# Altium PCB M5_Display.PcbDoc (part 1 of 2)
Units mil, origin at the board's own origin, x right, y up, seen from the top; angles counter-clockwise.
Board outline 2755.91 x 1968.5 mil, 4 copper layers (Top Layer, PWRS, GND, Bottom Layer), stack 61.19 mil thick; 175 components, 119 nets, 540 pads, 377 vias.
Unrouted connection lines stored in the file: 3.
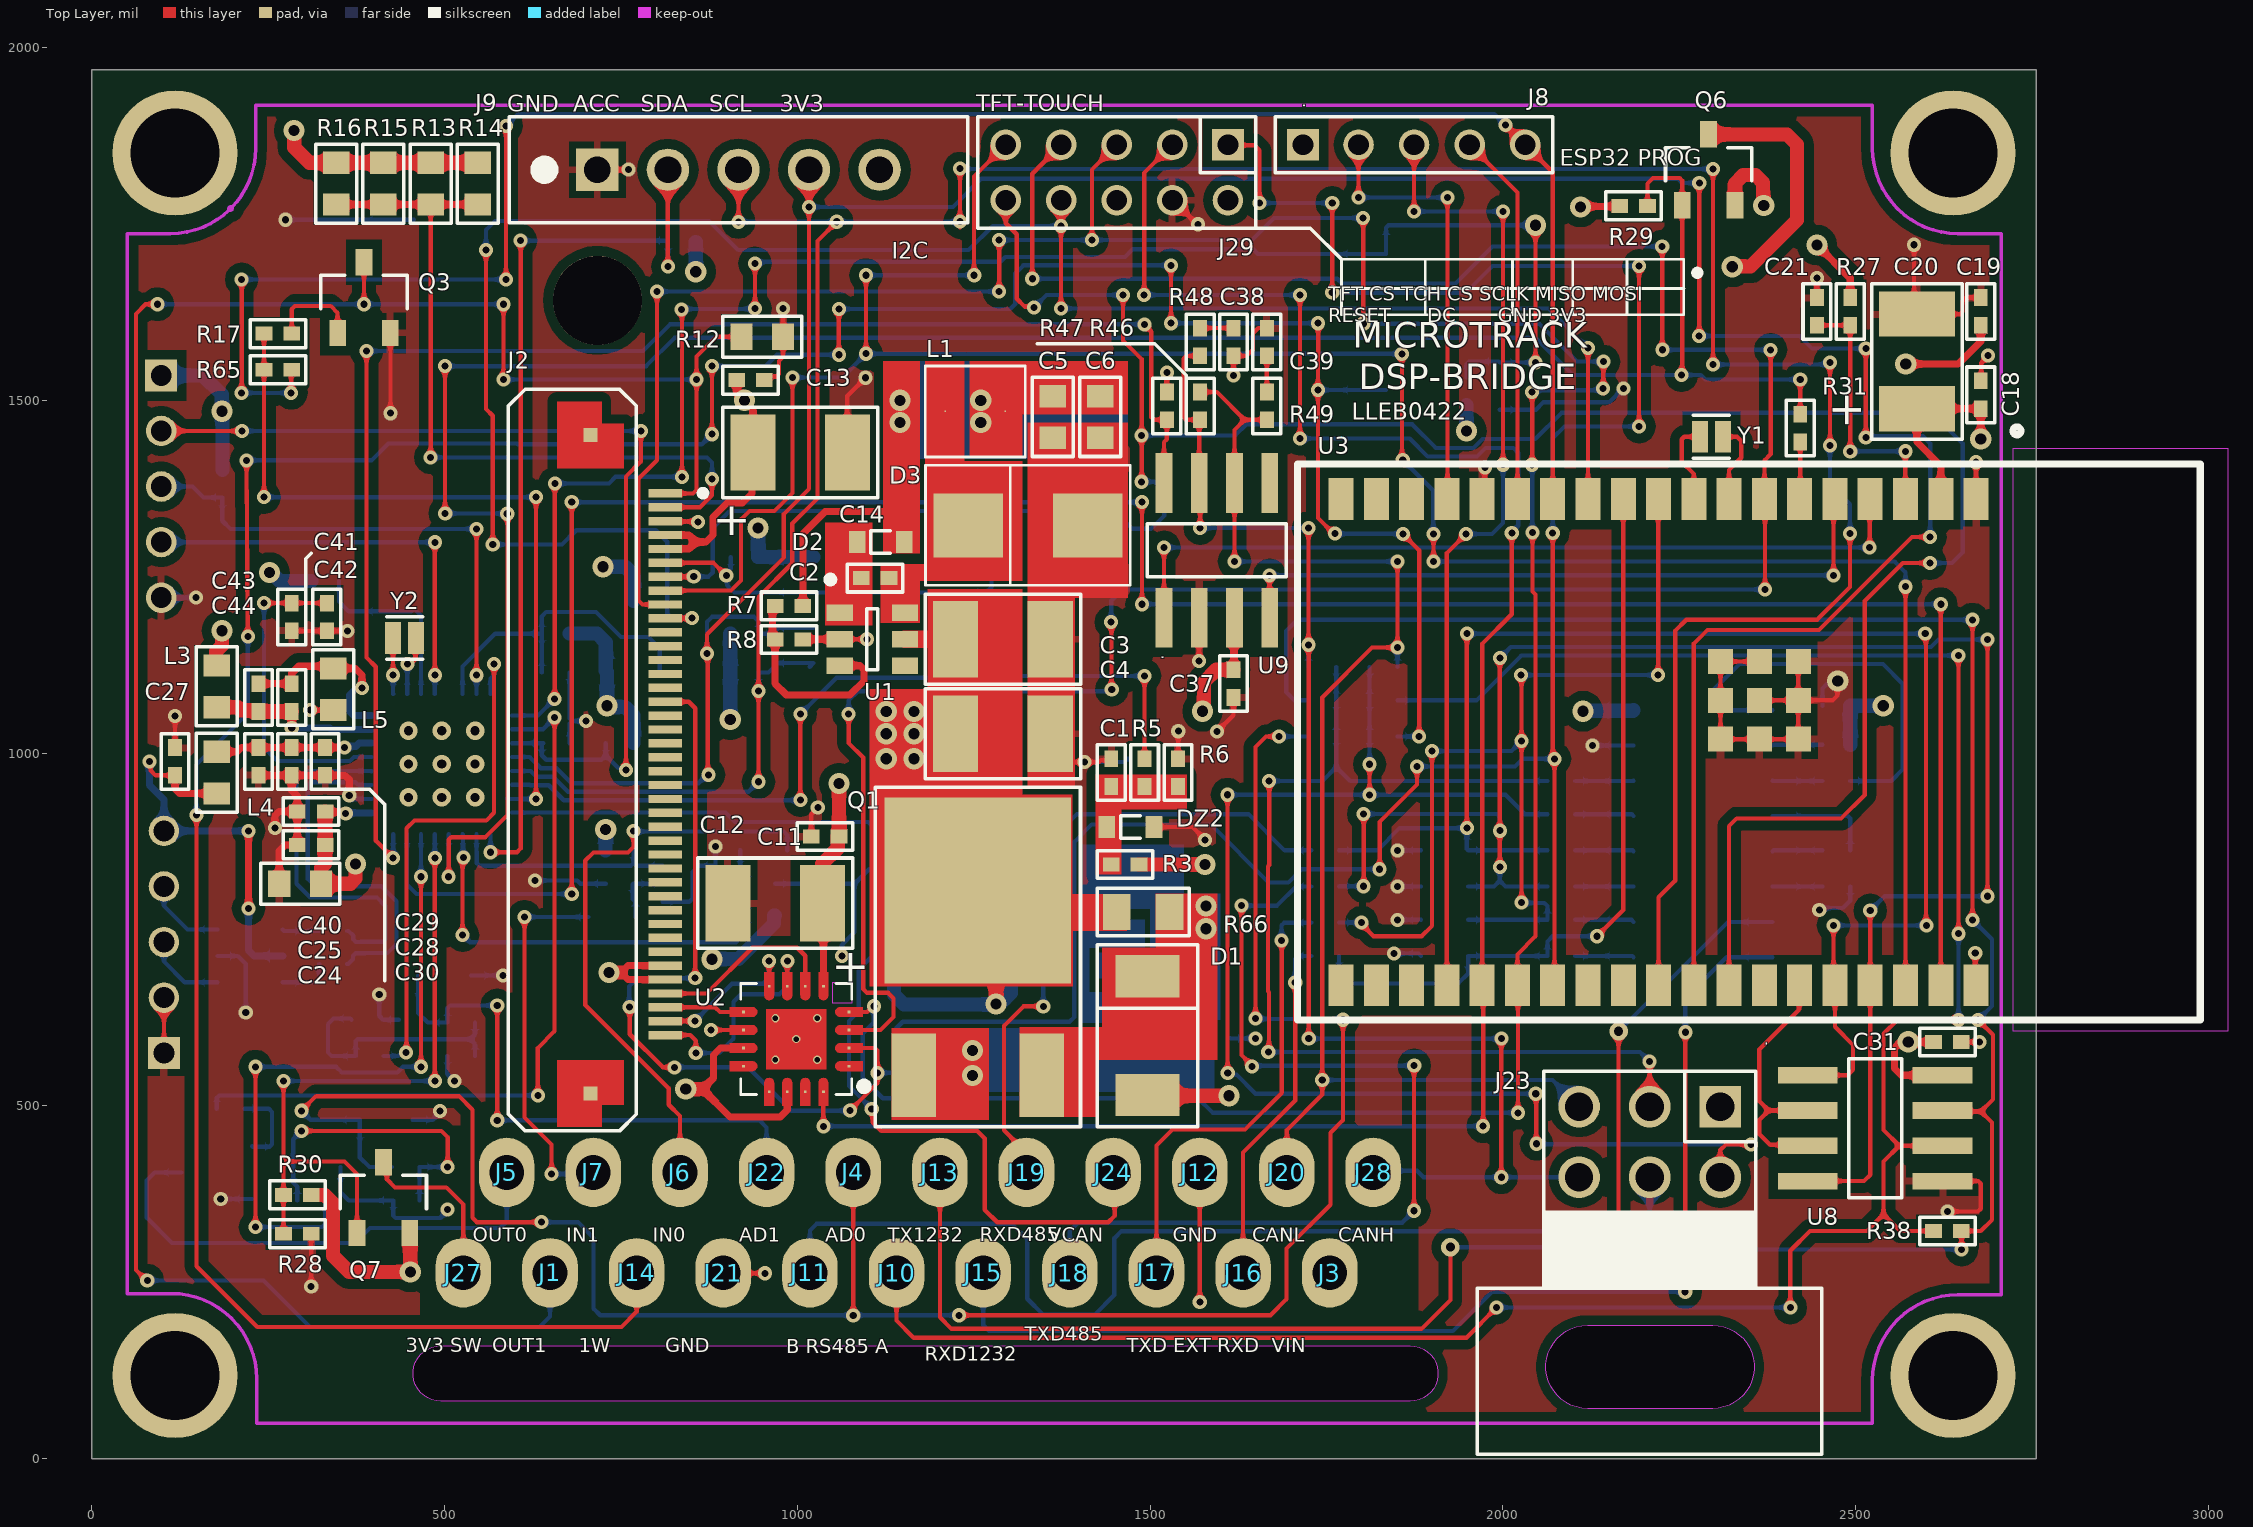
[diagram p0: Top Layer view]
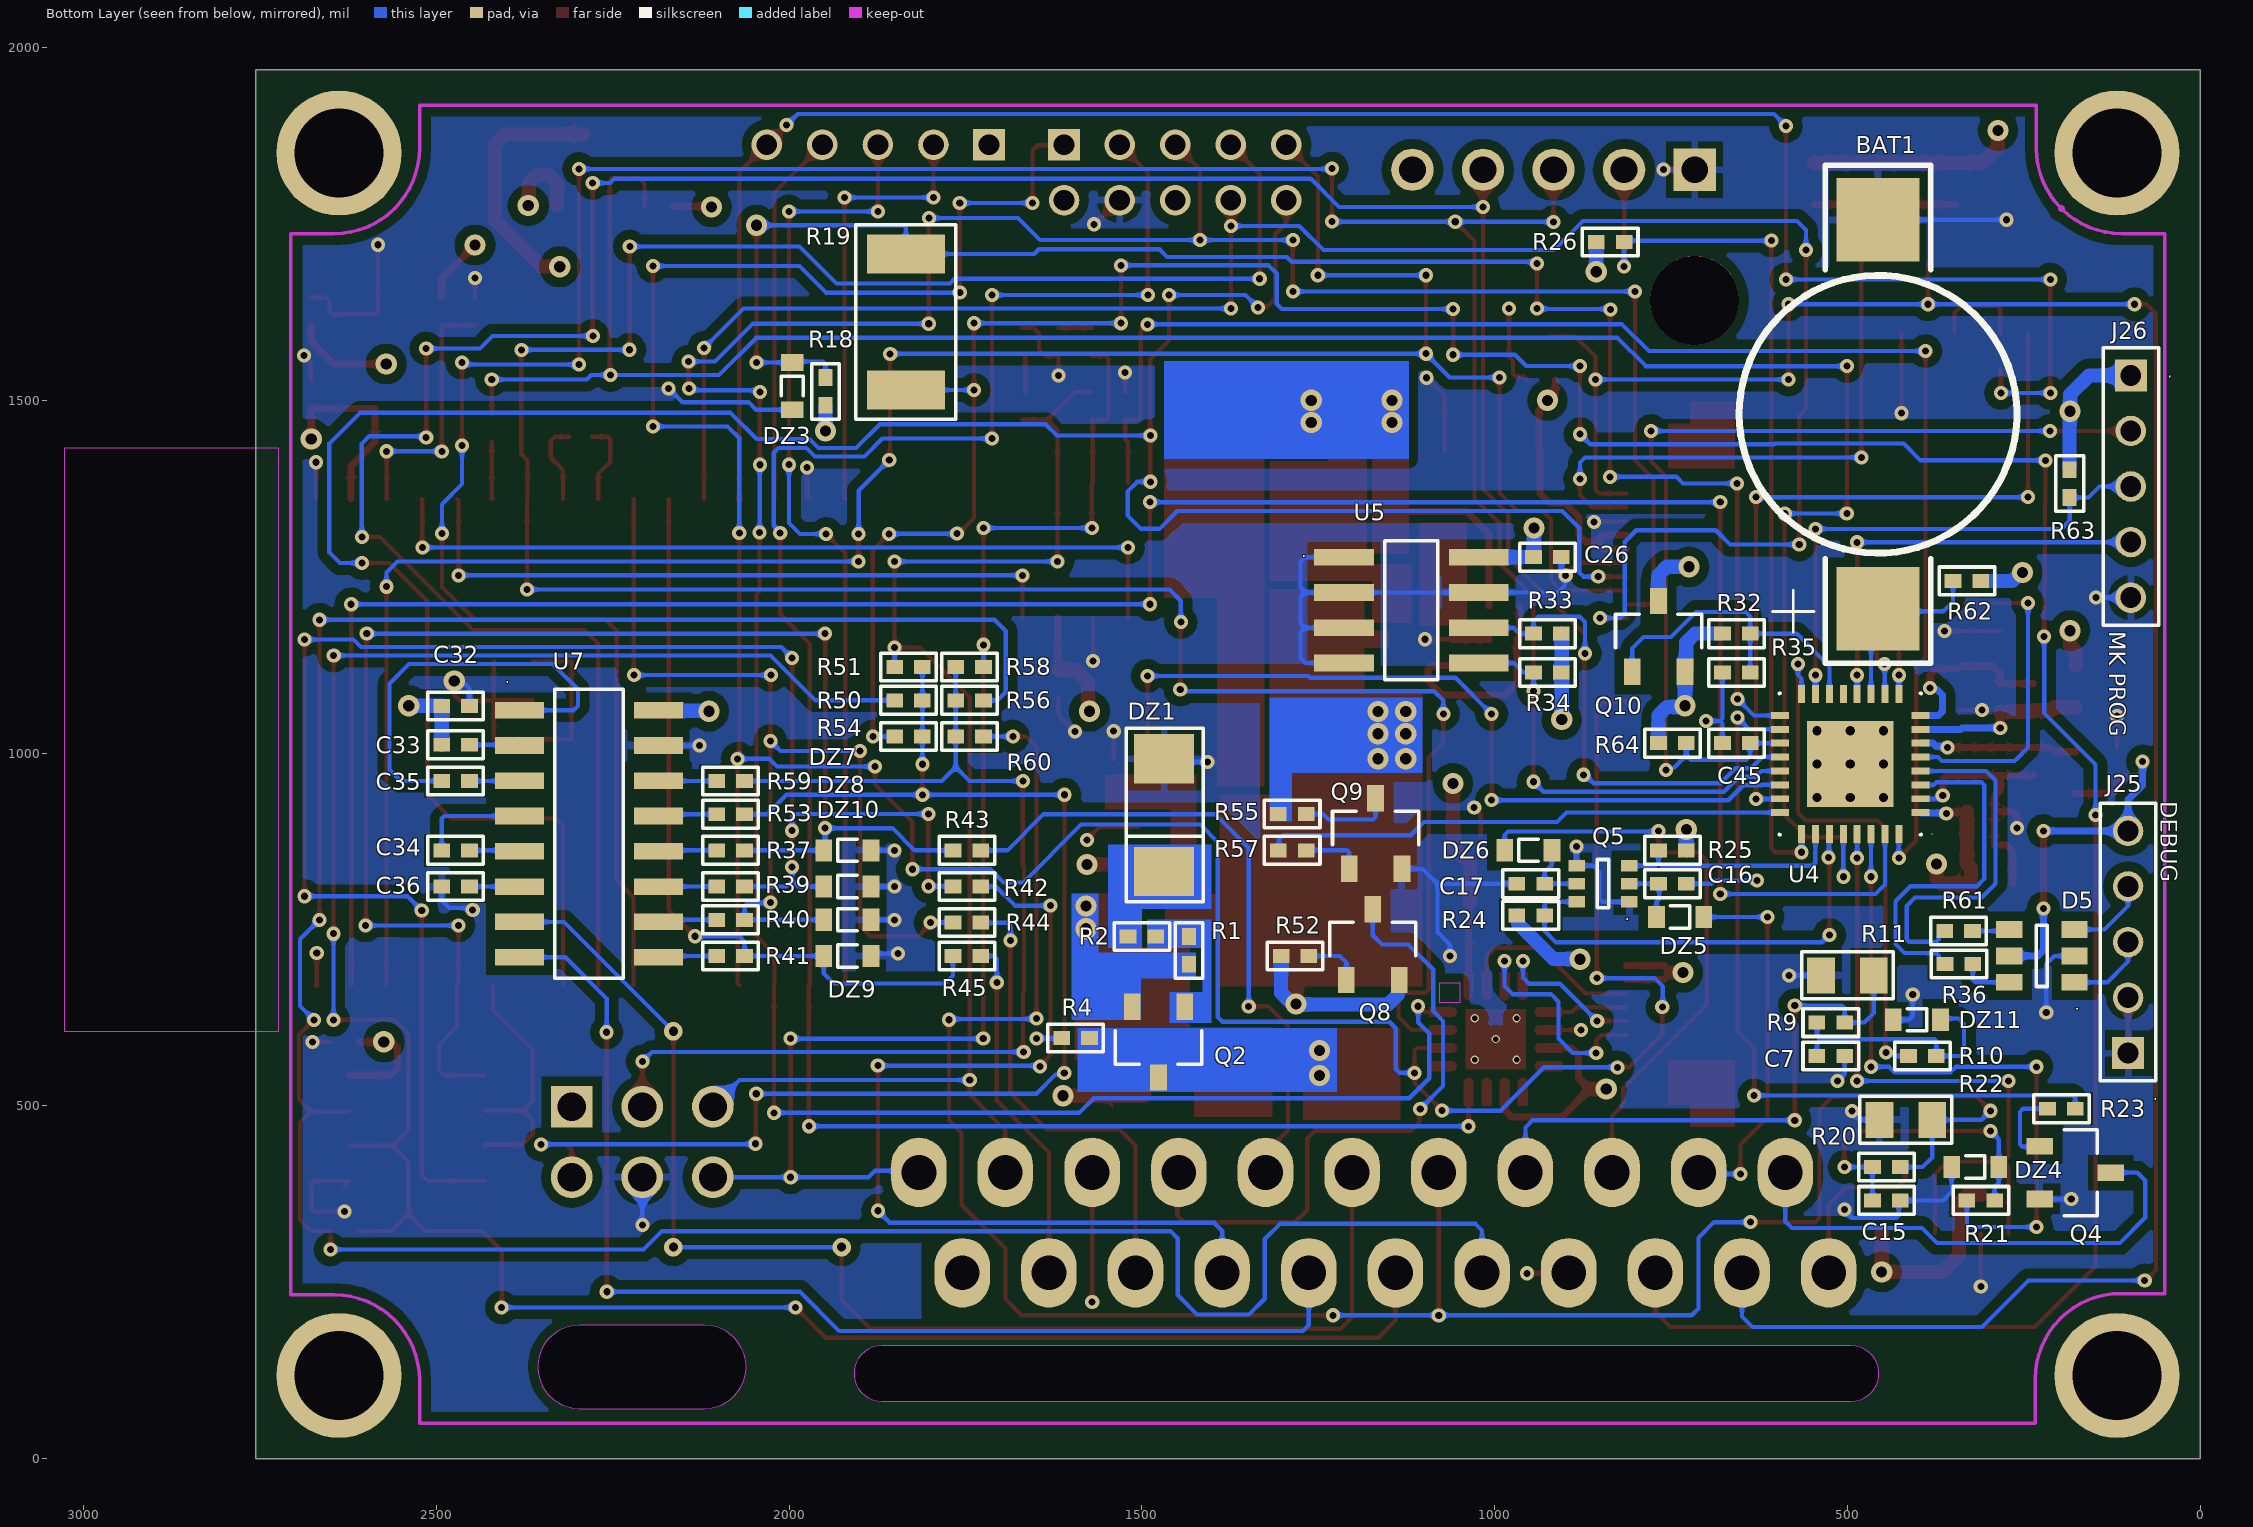
[diagram p1: Bottom Layer view, seen from below]
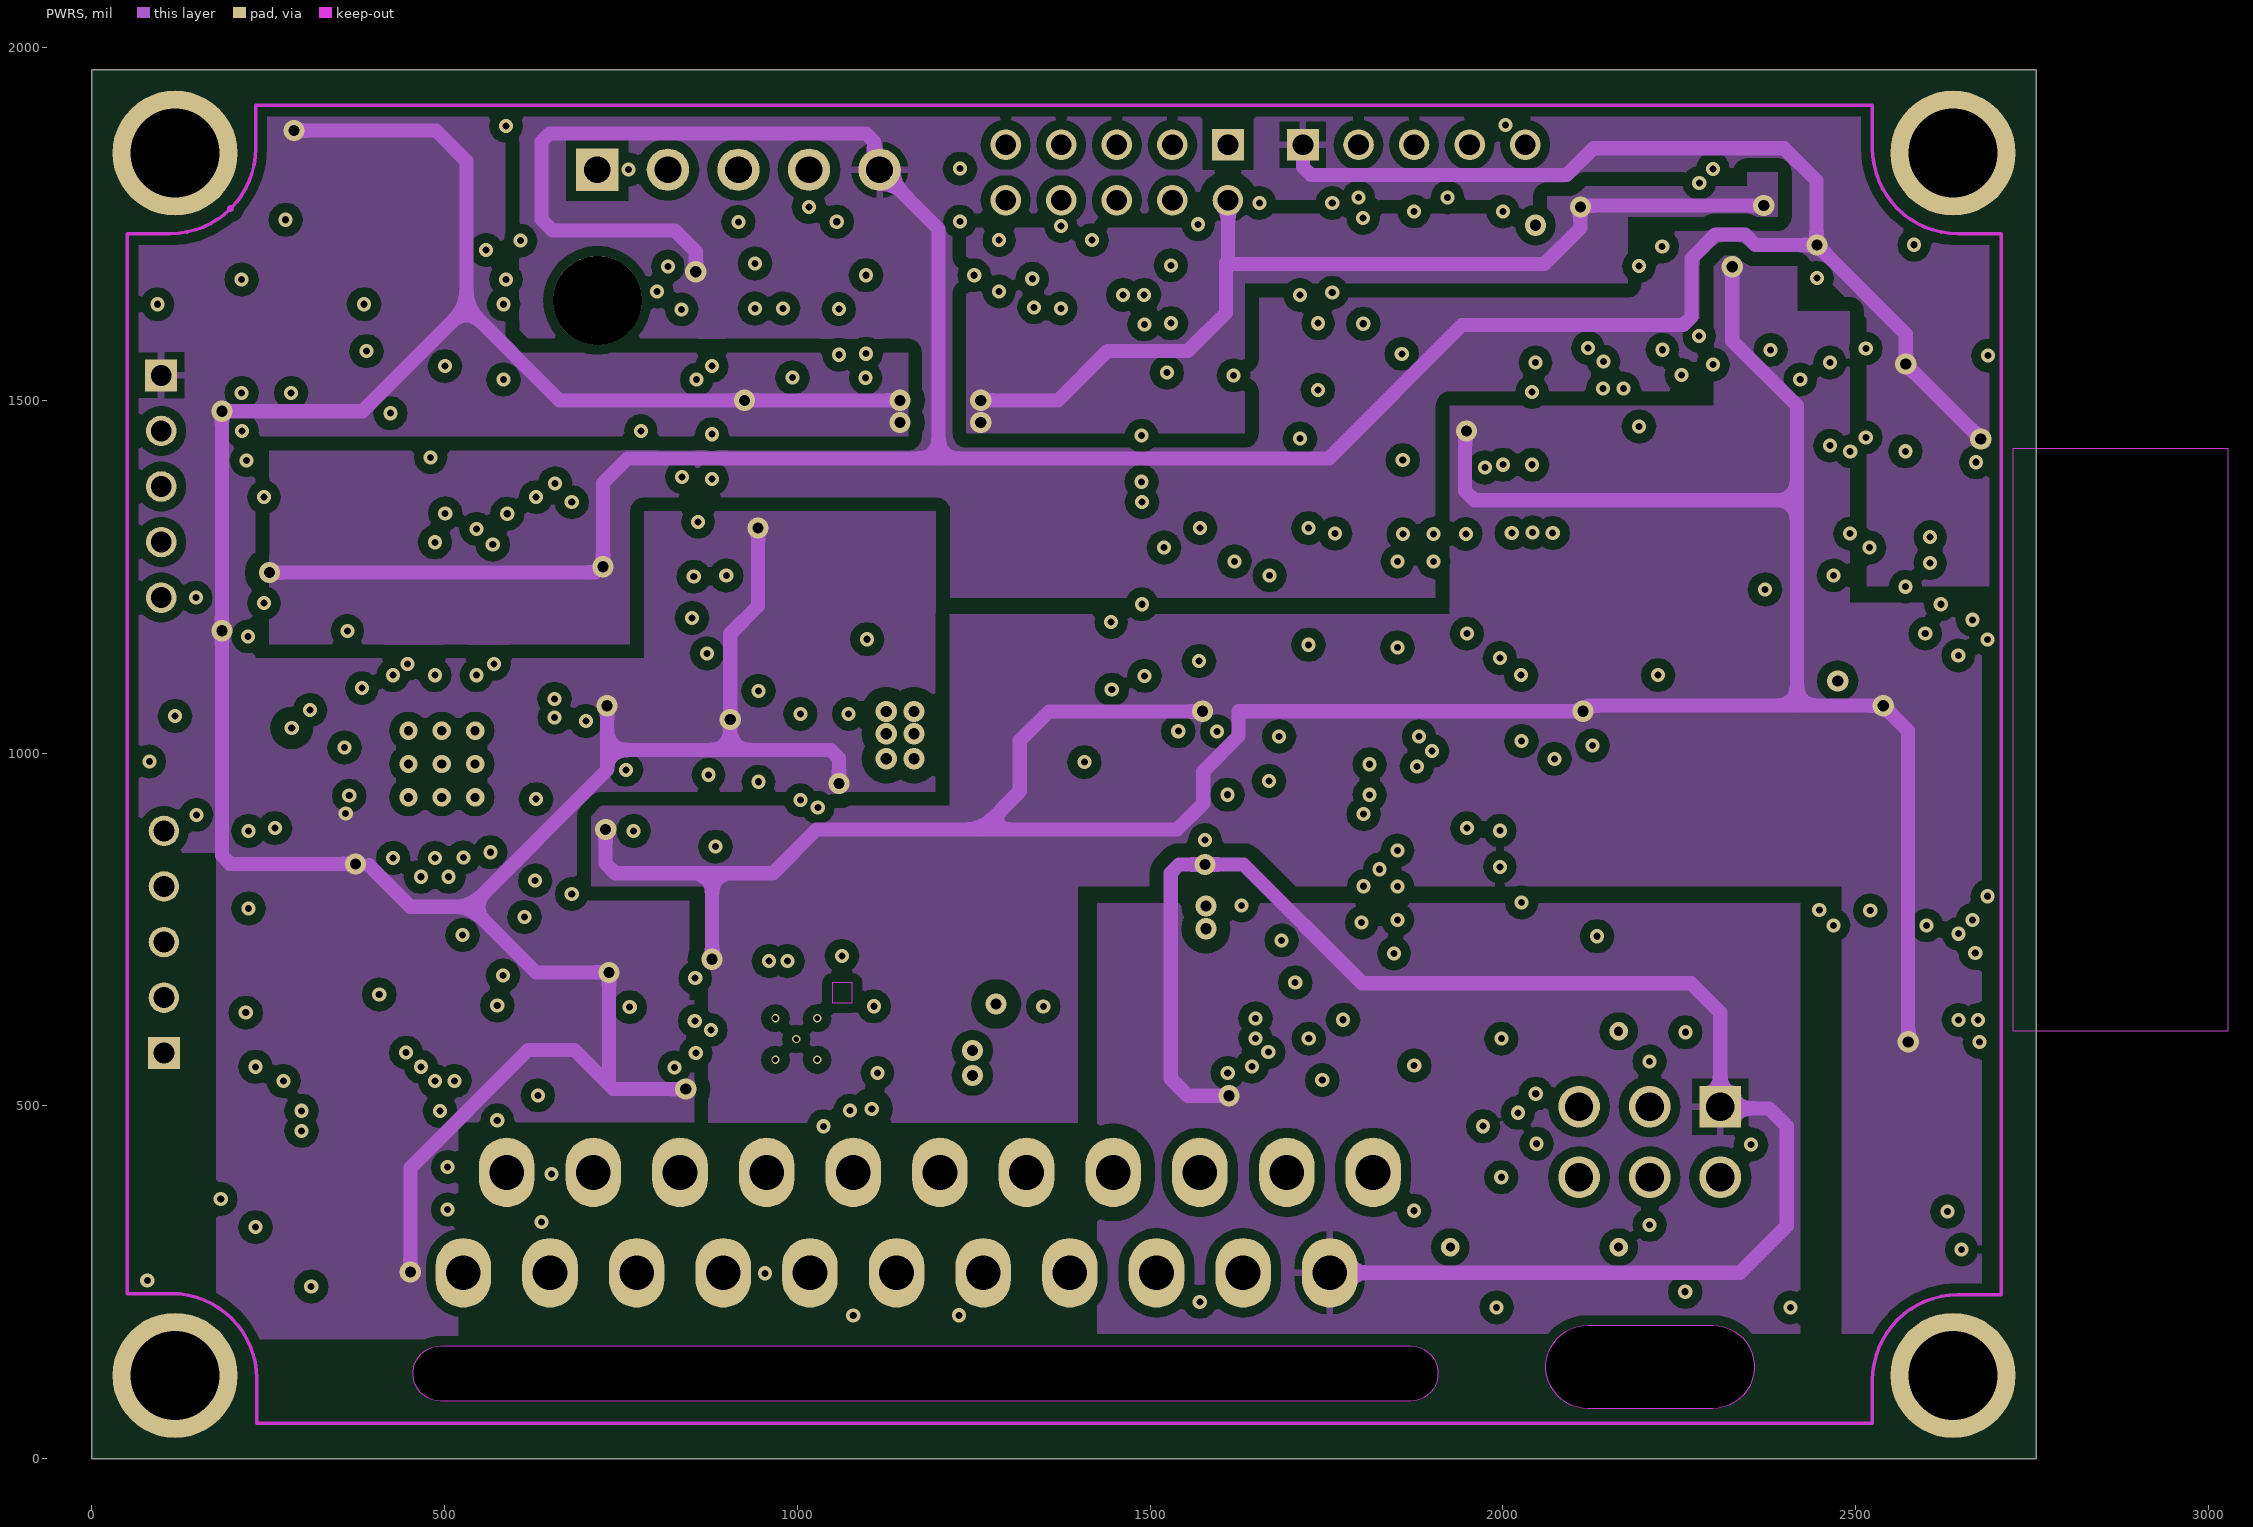
[diagram p2: PWRS]